# Allegro board 8880F5-0827_6.brd (continued)
## Routing (per net, layer and track width the routed paths; a pad name or vN(x,y) marks a point on that pad's centre or on a via; arc(x,y) is an arc through that point) (continued)
; D305.B9 400.61,88.9 ; D305.B9 402.03,88.9 ; D123.B12 262.43,60.96 ; D123.B12 261.62,61.77 ; D123.B12 260.81,60.96 ; D123.B12 261.62,60.15 ; D130.B3 91.44,79.55 ; D130.B3 92.25,78.74 ; D130.B3 90.63,78.74 ; D130.B3 91.44,77.93 ; D124.B3 238.76,38.91 ; D124.B3 238.76,37.29 ; D124.B3 237.95,38.1 ; D124.B3 239.57,38.1 ; CSDPS229.B14 168.45,332.74 ; CSDPS229.B14 167.64,331.93 ; CSDPS229.B14 166.83,332.74 ; CSDPS229.B14 167.64,333.55 ; D104.A9 327.66,33.83 ; D104.A9 326.85,33.02 ; D104.A9 328.47,33.02 ; D104.A9 327.66,32.21 ; D114.B7 333.55,350.52 ; D114.B7 332.74,349.71 ; D114.B7 332.74,351.33 ; D114.B7 331.93,350.52 ; D104.A3 312.42,33.83 ; D104.A3 312.42,32.21 ; D104.A3 313.23,33.02 ; D104.A3 311.61,33.02 ; CSDPS425.B2 271.78,343.71 ; CSDPS425.B2 270.97,342.9 ; CSDPS425.B2 272.59,342.9 ; CSDPS425.B2 271.78,342.09 ; D306.A5 391.16,64.21 ; D306.A5 391.87,63.5 ; D306.A5 391.16,62.79 ; D306.A5 390.45,63.5 ; 381,62.79 D306.A1 ; D306.A1 380.29,63.5 ; D306.A1 381,64.21 ; D306.A1 381.71,63.5 ; 180.34,83.11 D317.A9 ; D317.A9 180.34,84.53 ; D317.A9 179.63,83.82 ; D317.A9 181.05,83.82 ; D108.B9 402.13,38.1 ; D108.B9 401.32,37.29 ; D108.B9 401.32,38.91 ; D108.B9 400.51,38.1 ; 246.38,60.15 D123.B6 ; D123.B6 247.19,60.96 ; D123.B6 245.57,60.96 ; D123.B6 246.38,61.77 ; 337.11,88.9 D301.B13 ; D301.B13 337.82,89.61 ; D301.B13 337.82,88.19 ; D301.B13 338.53,88.9 ; 17.78,52.53 D127.A3 ; D127.A3 18.59,53.34 ; D127.A3 16.97,53.34 ; D127.A3 17.78,54.15 ; 233.68,77.93 D122.B1 ; D122.B1 234.49,78.74 ; D122.B1 232.87,78.74 ; D122.B1 233.68,79.55 ; DPS8.C15 165.91,410.21 ; DPS8.C15 165.1,411.02 ; DPS8.C15 165.1,409.4 ; DPS8.C15 164.29,410.21 ; 332.63,185.95 SITE4.G20 ; SITE4.G20 333.11,186.43 ; SITE4.G20 332.15,186.43 ; SITE4.G20 332.63,186.91 ; 169.37,381 D431.B13 ; D431.B13 170.18,380.19 ; D431.B13 170.18,381.81 ; D431.B13 170.99,381 ; 312.42,329.39 D113.B15 ; D113.B15 313.23,330.2 ; D113.B15 311.61,330.2 ; D113.B15 312.42,331.01 ; DPS1.A15 417.37,13.97 ; DPS1.A15 416.56,14.78 ; DPS1.A15 416.56,13.16 ; DPS1.A15 415.75,13.97 ; 418.39,66.04 D306.A16 ; D306.A16 419.1,66.75 ; D306.A16 419.1,65.33 ; D306.A16 419.81,66.04 ; 320.04,387.81 D116.B12 ; D116.B12 320.04,389.43 ; D116.B12 320.85,388.62 ; D116.B12 319.23,388.62 ; 312.42,37.29 D104.B3 ; D104.B3 311.61,38.1 ; D104.B3 313.23,38.1 ; D104.B3 312.42,38.91 ; D108.A2 383.54,36.37 ; D108.A2 383.54,34.75 ; D108.A2 382.73,35.56 ; D108.A2 384.35,35.56 ; D125.B3 18.59,99.06 ; D125.B3 17.78,99.87 ; D125.B3 17.78,98.25 ; D125.B3 16.97,99.06 ; D122.A15 269.24,74.47 ; D122.A15 270.05,73.66 ; D122.A15 268.43,73.66 ; D122.A15 269.24,72.85 ; D130.A3 92.25,73.66 ; D130.A3 90.63,73.66 ; D130.A3 91.44,72.85 ; D130.A3 91.44,74.47 ; 182.88,80.47 D118.B10 ; D118.B10 183.69,81.28 ; D118.B10 182.88,82.09 ; D118.B10 182.07,81.28 ; D106.A8 399.59,76.2 ; D106.A8 397.97,76.2 ; D106.A8 398.78,77.01 ; D106.A8 398.78,75.39 ; D104.A5 318.31,33.02 ; D104.A5 317.5,33.83 ; D104.A5 316.69,33.02 ; D104.A5 317.5,32.21 ; D306.B4 388.62,71.83 ; D306.B4 387.91,71.12 ; D306.B4 389.33,71.12 ; D306.B4 388.62,70.41 ; 329.33,187.45 SITE4.G8 ; SITE4.G8 329.81,187.93 ; SITE4.G8 329.33,188.41 ; SITE4.G8 328.85,187.93 ; 266.7,331.93 CSDPS225.B4 ; CSDPS225.B4 265.89,332.74 ; CSDPS225.B4 266.7,333.55 ; CSDPS225.B4 267.51,332.74 ; D122.B13 264.97,78.74 ; D122.B13 264.16,79.55 ; D122.B13 263.35,78.74 ; D122.B13 264.16,77.93 ; 241.3,70.41 D322.B4 ; D322.B4 241.3,71.83 ; D322.B4 240.59,71.12 ; D322.B4 242.01,71.12 ; 317.5,72.85 D102.A5 ; D102.A5 316.69,73.66 ; D102.A5 318.31,73.66 ; D102.A5 317.5,74.47 ; 25.4,39.83 D128.B6 ; D128.B6 26.21,40.64 ; D128.B6 24.59,40.64 ; D128.B6 25.4,41.45 ; D125.B8 30.48,102.41 ; D125.B8 29.67,101.6 ; D125.B8 31.29,101.6 ; D125.B8 30.48,100.79 ; 172.72,90.73 D317.B6 ; D317.B6 172.01,91.44 ; D317.B6 172.72,92.15 ; D317.B6 173.43,91.44 ; 306.63,88.9 D301.B1 ; D301.B1 307.34,88.19 ; D301.B1 307.34,89.61 ; D301.B1 308.05,88.9 ; 161.85,91.44 D317.B2 ; D317.B2 162.56,90.73 ; D317.B2 163.27,91.44 ; D317.B2 162.56,92.15 ; 195.58,380.19 D431.B3 ; D431.B3 195.58,381.81 ; D431.B3 194.77,381 ; D431.B3 196.39,381 ; 193.04,377.65 D431.B4 ; D431.B4 192.23,378.46 ; D431.B4 193.85,378.46 ; D431.B4 193.04,379.27 ; 269.24,57.61 D123.B15 ; D123.B15 269.24,59.23 ; D123.B15 270.05,58.42 ; D123.B15 268.43,58.42 ; 408.94,75.39 D106.A12 ; D106.A12 409.75,76.2 ; D106.A12 408.13,76.2 ; D106.A12 408.94,77.01 ; D107.A14 414.83,55.88 ; D107.A14 414.02,55.07 ; D107.A14 414.02,56.69 ; D107.A14 413.21,55.88 ; 342.9,88.19 D301.B15 ; D301.B15 342.19,88.9 ; D301.B15 343.61,88.9 ; D301.B15 342.9,89.61 ; 165.1,385.27 D431.A15 ; D431.A15 165.1,386.89 ; D431.A15 165.91,386.08 ; D431.A15 164.29,386.08 ; 116.84,98.25 D129.B13 ; D129.B13 116.84,99.87 ; D129.B13 117.65,99.06 ; D129.B13 116.03,99.06 ; D107.A15 417.37,53.34 ; D107.A15 415.75,53.34 ; D107.A15 416.56,52.53 ; D107.A15 416.56,54.15 ; 162.56,55.07 D119.A2 ; D119.A2 162.56,56.69 ; D119.A2 161.75,55.88 ; D119.A2 163.37,55.88 ; 198.12,34.75 D120.A16 ; D120.A16 198.12,36.37 ; D120.A16 197.31,35.56 ; D120.A16 198.93,35.56 ; D104.B9 328.47,38.1 ; D104.B9 326.85,38.1 ; D104.B9 327.66,37.29 ; D104.B9 327.66,38.91 ; 19.51,76.2 D126.A4 ; D126.A4 20.32,75.39 ; D126.A4 20.32,77.01 ; D126.A4 21.13,76.2 ; 169.37,53.34 D119.A5 ; D119.A5 170.99,53.34 ; D119.A5 170.18,54.15 ; D119.A5 170.18,52.53 ; D302.B3 313.13,68.58 ; D302.B3 311.71,68.58 ; D302.B3 312.42,69.29 ; D302.B3 312.42,67.87 ; D124.B10 256.54,41.45 ; D124.B10 255.73,40.64 ; D124.B10 256.54,39.83 ; D124.B10 257.35,40.64 ; D318.B8 177.8,71.83 ; D318.B8 177.09,71.12 ; D318.B8 177.8,70.41 ; D318.B8 178.51,71.12 ; D322.B6 246.38,71.83 ; D322.B6 247.09,71.12 ; D322.B6 245.67,71.12 ; D322.B6 246.38,70.41 ; D120.A6 172.72,36.37 ; D120.A6 172.72,34.75 ; D120.A6 173.53,35.56 ; D120.A6 171.91,35.56 ; DPS1.C11 407.21,19.05 ; DPS1.C11 406.4,19.86 ; DPS1.C11 406.4,18.24 ; DPS1.C11 405.59,19.05 ; D305.B14 414.02,92.15 ; D305.B14 414.02,90.73 ; D305.B14 414.73,91.44 ; D305.B14 413.31,91.44 ; 43.18,32.21 D128.A13 ; D128.A13 43.99,33.02 ; D128.A13 42.37,33.02 ; D128.A13 43.18,33.83 ; 325.12,90.73 D301.B8 ; D301.B8 325.83,91.44 ; D301.B8 324.41,91.44 ; D301.B8 325.12,92.15 ; D110.B9 402.13,350.52 ; D110.B9 401.32,351.33 ; D110.B9 400.51,350.52 ; D110.B9 401.32,349.71 ; D108.B3 386.08,38.91 ; D108.B3 385.27,38.1 ; D108.B3 386.89,38.1 ; D108.B3 386.08,37.29 ; 324.31,327.66 D113.B10 ; D113.B10 325.12,328.47 ; D113.B10 325.93,327.66 ; D113.B10 325.12,326.85 ; 101.6,57.61 D131.B7 ; D131.B7 100.79,58.42 ; D131.B7 101.6,59.23 ; D131.B7 102.41,58.42 ; 27.13,58.42 D127.B7 ; D127.B7 28.75,58.42 ; D127.B7 27.94,59.23 ; D127.B7 27.94,57.61 ; SITE3.G17 249.03,186.91 ; SITE3.G17 249.51,186.43 ; SITE3.G17 249.03,185.95 ; SITE3.G17 248.55,186.43 ; 97.4,174.52 UNK3U2.4 ; UNK3U2.4 98.34,175.46 ; UNK3U2.4 96.46,175.46 ; UNK3U2.4 97.4,176.4 ; 386.08,354.79 D110.A15 ; D110.A15 385.27,355.6 ; D110.A15 386.89,355.6 ; D110.A15 386.08,356.41 ; 413.21,353.06 D110.A4 ; D110.A4 414.02,353.87 ; D110.A4 414.83,353.06 ; D110.A4 414.02,352.25 ; D124.A9 254,33.83 ; D124.A9 253.19,33.02 ; D124.A9 254.81,33.02 ; D124.A9 254,32.21 ; D113.B9 328.47,330.2 ; D113.B9 327.66,331.01 ; D113.B9 327.66,329.39 ; D113.B9 326.85,330.2 ; 248.33,180.85 SITE3.G1 ; SITE3.G1 248.33,181.81 ; SITE3.G1 247.85,181.33 ; SITE3.G1 248.81,181.33 ; SITE1.G4 251.33,241.81 ; SITE1.G4 250.85,241.33 ; SITE1.G4 251.33,240.85 ; SITE1.G4 251.81,241.33 ; 99.06,39.83 D132.B6 ; D132.B6 99.06,41.45 ; D132.B6 99.87,40.64 ; D132.B6 98.25,40.64 ; 24.59,101.6 D125.B6 ; D125.B6 26.21,101.6 ; D125.B6 25.4,100.79 ; D125.B6 25.4,102.41 ; D115.B9 327.66,371.65 ; D115.B9 326.85,370.84 ; D115.B9 327.66,370.03 ; D115.B9 328.47,370.84 ; 416.56,18.24 DPS1.C15 ; DPS1.C15 415.75,19.05 ; DPS1.C15 416.56,19.86 ; DPS1.C15 417.37,19.05 ; 187.96,85.65 D317.A12 ; D317.A12 188.67,86.36 ; D317.A12 187.96,87.07 ; D317.A12 187.25,86.36 ; 32.21,78.74 D126.B9 ; D126.B9 33.02,77.93 ; D126.B9 33.83,78.74 ; D126.B9 33.02,79.55 ; 393.7,75.39 D106.A6 ; D106.A6 393.7,77.01 ; D106.A6 394.51,76.2 ; D106.A6 392.89,76.2 ; 170.18,88.19 D317.B5 ; D317.B5 169.47,88.9 ; D317.B5 170.89,88.9 ; D317.B5 170.18,89.61 ; D128.B10 35.56,41.45 ; D128.B10 35.56,39.83 ; D128.B10 34.75,40.64 ; D128.B10 36.37,40.64 ; CSDPS225.C9 254,331.01 ; CSDPS225.C9 253.19,330.2 ; CSDPS225.C9 254,329.39 ; CSDPS225.C9 254.81,330.2 ; D302.A3 313.13,63.5 ; D302.A3 312.42,64.21 ; D302.A3 311.71,63.5 ; D302.A3 312.42,62.79 ; D231.A2 198.12,374.19 ; D231.A2 197.31,373.38 ; D231.A2 198.12,372.57 ; D231.A2 198.93,373.38 ; 401.32,57.61 D107.B9 ; D107.B9 402.13,58.42 ; D107.B9 401.32,59.23 ; D107.B9 400.51,58.42 ; 342.09,58.42 D103.B15 ; D103.B15 342.9,57.61 ; D103.B15 342.9,59.23 ; D103.B15 343.71,58.42 ; 317.5,370.03 D115.B13 ; D115.B13 318.31,370.84 ; D115.B13 316.69,370.84 ; D115.B13 317.5,371.65 ; 247.85,241.33 SITE1.G1 ; SITE1.G1 248.33,240.85 ; SITE1.G1 248.33,241.81 ; SITE1.G1 248.81,241.33 ; D302.A7 322.58,64.21 ; D302.A7 321.87,63.5 ; D302.A7 322.58,62.79 ; D302.A7 323.29,63.5 ; 386.08,395.43 D112.A15 ; D112.A15 386.08,397.05 ; D112.A15 385.27,396.24 ; D112.A15 386.89,396.24 ; 337.82,395.43 D116.A5 ; D116.A5 337.01,396.24 ; D116.A5 337.82,397.05 ; D116.A5 338.63,396.24 ; 187.96,55.07 D119.A12 ; D119.A12 187.96,56.69 ; D119.A12 187.15,55.88 ; D119.A12 188.77,55.88 ; 328.55,186.43 SITE4.G17 ; SITE4.G17 329.51,186.43 ; SITE4.G17 329.03,185.95 ; SITE4.G17 329.03,186.91 ; D113.A6 335.28,333.55 ; D113.A6 334.47,332.74 ; D113.A6 336.09,332.74 ; D113.A6 335.28,331.93 ; D108.B4 388.62,41.45 ; D108.B4 389.43,40.64 ; D108.B4 387.81,40.64 ; D108.B4 388.62,39.83 ; 40.64,39.83 D128.B12 ; D128.B12 40.64,41.45 ; D128.B12 41.45,40.64 ; D128.B12 39.83,40.64 ; 273.51,330.2 CSDPS225.C1 ; CSDPS225.C1 274.32,329.39 ; CSDPS225.C1 274.32,331.01 ; CSDPS225.C1 275.13,330.2 ; 416.56,395.43 D112.A3 ; D112.A3 415.75,396.24 ; D112.A3 417.37,396.24 ; D112.A3 416.56,397.05 ; D110.A16 383.54,353.87 ; D110.A16 384.35,353.06 ; D110.A16 383.54,352.25 ; D110.A16 382.73,353.06 ; D302.B15 342.9,69.29 ; D302.B15 342.9,67.87 ; D302.B15 343.61,68.58 ; D302.B15 342.19,68.58 ; D126.B7 27.94,79.55 ; D126.B7 27.94,77.93 ; D126.B7 28.75,78.74 ; D126.B7 27.13,78.74 ; D112.B6 409.75,388.62 ; D112.B6 408.13,388.62 ; D112.B6 408.94,389.43 ; D112.B6 408.94,387.81 ; 177.8,382.73 D431.A10 ; D431.A10 178.61,383.54 ; D431.A10 176.99,383.54 ; D431.A10 177.8,384.35 ; 331.85,181.33 SITE4.G5 ; SITE4.G5 332.33,180.85 ; SITE4.G5 332.81,181.33 ; SITE4.G5 332.33,181.81 ; 104.14,75.39 D130.A8 ; D130.A8 104.14,77.01 ; D130.A8 104.95,76.2 ; D130.A8 103.33,76.2 ; D322.A3 239.47,63.5 ; D322.A3 238.05,63.5 ; D322.A3 238.76,64.21 ; D322.A3 238.76,62.79 ; 396.24,37.29 D108.B7 ; D108.B7 395.43,38.1 ; D108.B7 397.05,38.1 ; D108.B7 396.24,38.91 ; D321.B11 259.08,89.61 ; D321.B11 258.37,88.9 ; D321.B11 259.08,88.19 ; D321.B11 259.79,88.9 ; D102.B15 343.71,78.74 ; D102.B15 342.09,78.74 ; D102.B15 342.9,77.93 ; D102.B15 342.9,79.55 ; 251.46,55.07 D123.A8 ; D123.A8 252.27,55.88 ; D123.A8 251.46,56.69 ; D123.A8 250.65,55.88 ; D318.B13 191.21,68.58 ; D318.B13 190.5,67.87 ; D318.B13 190.5,69.29 ; D318.B13 189.79,68.58 ; D124.A11 259.08,33.83 ; D124.A11 259.89,33.02 ; D124.A11 259.08,32.21 ; D124.A11 258.27,33.02 ; D110.A5 412.29,355.6 ; D110.A5 411.48,354.79 ; D110.A5 410.67,355.6 ; D110.A5 411.48,356.41 ; 309.07,55.88 D103.A2 ; D103.A2 309.88,56.69 ; D103.A2 309.88,55.07 ; D103.A2 310.69,55.88 ; D120.A2 163.37,35.56 ; D120.A2 162.56,34.75 ; D120.A2 161.75,35.56 ; D120.A2 162.56,36.37 ; SITE3.G12 253.33,188.41 ; SITE3.G12 252.85,187.93 ; SITE3.G12 253.81,187.93 ; SITE3.G12 253.33,187.45 ; D132.A16 125.27,35.56 ; D132.A16 124.46,36.37 ; D132.A16 123.65,35.56 ; D132.A16 124.46,34.75 ; D306.A12 408.94,66.75 ; D306.A12 408.23,66.04 ; D306.A12 409.65,66.04 ; D306.A12 408.94,65.33 ; 403.05,347.98 D110.B8 ; D110.B8 403.86,347.17 ; D110.B8 403.86,348.79 ; D110.B8 404.67,347.98 ; D126.B5 22.86,79.55 ; D126.B5 22.86,77.93 ; D126.B5 22.05,78.74 ; D126.B5 23.67,78.74 ; D130.B4 93.98,82.09 ; D130.B4 94.79,81.28 ; D130.B4 93.17,81.28 ; D130.B4 93.98,80.47 ; D128.B13 43.99,38.1 ; D128.B13 42.37,38.1 ; D128.B13 43.18,37.29 ; D128.B13 43.18,38.91 ; 319.23,332.74 D113.A12 ; D113.A12 320.85,332.74 ; D113.A12 320.04,331.93 ; D113.A12 320.04,333.55 ; 326.85,396.24 D116.A9 ; D116.A9 328.47,396.24 ; D116.A9 327.66,397.05 ; D116.A9 327.66,395.43 ; 320.04,65.33 D302.A6 ; D302.A6 319.33,66.04 ; D302.A6 320.04,66.75 ; D302.A6 320.75,66.04 ; D112.B16 384.35,388.62 ; D112.B16 383.54,387.81 ; D112.B16 382.73,388.62 ; D112.B16 383.54,389.43 ; D115.B1 347.98,371.65 ; D115.B1 348.79,370.84 ; D115.B1 347.98,370.03 ; D115.B1 347.17,370.84 ; CSDPS429.C5 190.5,341.17 ; CSDPS429.C5 190.5,339.55 ; CSDPS429.C5 191.31,340.36 ; CSDPS429.C5 189.69,340.36 ; 248.11,73.66 D122.A7 ; D122.A7 248.92,72.85 ; D122.A7 249.73,73.66 ; D122.A7 248.92,74.47 ; 334.47,35.56 D104.A12 ; D104.A12 335.28,36.37 ; D104.A12 336.09,35.56 ; D104.A12 335.28,34.75 ; D104.B14 341.17,40.64 ; D104.B14 340.36,39.83 ; D104.B14 339.55,40.64 ; D104.B14 340.36,41.45 ; D317.A14 193.75,86.36 ; D317.A14 192.33,86.36 ; D317.A14 193.04,87.07 ; D317.A14 193.04,85.65 ; 332.63,182.35 SITE4.G16 ; SITE4.G16 333.11,182.83 ; SITE4.G16 332.63,183.31 ; SITE4.G16 332.15,182.83 ; D104.B10 330.2,41.45 ; D104.B10 331.01,40.64 ; D104.B10 330.2,39.83 ; D104.B10 329.39,40.64 ; D122.B7 248.92,79.55 ; D122.B7 249.73,78.74 ; D122.B7 248.92,77.93 ; D122.B7 248.11,78.74 ; 334.47,353.06 D114.A6 ; D114.A6 335.28,353.87 ; D114.A6 335.28,352.25 ; D114.A6 336.09,353.06 ; D107.B1 381.81,58.42 ; D107.B1 381,59.23 ; D107.B1 381,57.61 ; D107.B1 380.19,58.42 ; D111.A6 409.75,373.38 ; D111.A6 408.13,373.38 ; D111.A6 408.94,374.19 ; D111.A6 408.94,372.57 ; 414.02,326.85 D109.B4 ; D109.B4 413.21,327.66 ; D109.B4 414.83,327.66 ; D109.B4 414.02,328.47 ; 330.2,372.57 D115.A8 ; D115.A8 330.2,374.19 ; D115.A8 331.01,373.38 ; D115.A8 329.39,373.38 ; 124.46,75.39 D130.A16 ; D130.A16 123.65,76.2 ; D130.A16 124.46,77.01 ; D130.A16 125.27,76.2 ; 254,67.87 D322.B9 ; D322.B9 254.71,68.58 ; D322.B9 254,69.29 ; D322.B9 253.29,68.58 ; 29.67,81.28 D126.B8 ; D126.B8 31.29,81.28 ; D126.B8 30.48,80.47 ; D126.B8 30.48,82.09 ; D102.A3 313.23,73.66 ; D102.A3 311.61,73.66 ; D102.A3 312.42,72.85 ; D102.A3 312.42,74.47 ; D109.B6 409.75,327.66 ; D109.B6 408.94,328.47 ; D109.B6 408.13,327.66 ; D109.B6 408.94,326.85 ; 90.63,58.42 D131.B3 ; D131.B3 91.44,57.61 ; D131.B3 92.25,58.42 ; D131.B3 91.44,59.23 ; D131.B13 116.84,59.23 ; D131.B13 116.03,58.42 ; D131.B13 116.84,57.61 ; D131.B13 117.65,58.42 ; 319.23,353.06 D114.A12 ; D114.A12 320.04,352.25 ; D114.A12 320.04,353.87 ; D114.A12 320.85,353.06 ; 49.99,40.64 D128.B16 ; D128.B16 51.61,40.64 ; D128.B16 50.8,41.45 ; D128.B16 50.8,39.83 ; D301.A10 330.2,87.07 ; D301.A10 329.49,86.36 ; D301.A10 330.2,85.65 ; D301.A10 330.91,86.36 ; DPS8.A15 165.1,416.1 ; DPS8.A15 164.29,415.29 ; DPS8.A15 165.91,415.29 ; DPS8.A15 165.1,414.48 ; D322.B3 238.76,69.29 ; D322.B3 239.47,68.58 ; D322.B3 238.76,67.87 ; D322.B3 238.05,68.58 ; 200.66,414.48 DPS8.A01 ; DPS8.A01 199.85,415.29 ; DPS8.A01 200.66,416.1 ; DPS8.A01 201.47,415.29 ; D124.A4 241.3,36.37 ; D124.A4 241.3,34.75 ; D124.A4 242.11,35.56 ; D124.A4 240.49,35.56 ; DPS2.A05 338.63,415.29 ; DPS2.A05 337.82,416.1 ; DPS2.A05 337.82,414.48 ; DPS2.A05 337.01,415.29 ; 314.96,90.73 D301.B4 ; D301.B4 314.96,92.15 ; D301.B4 315.67,91.44 ; D301.B4 314.25,91.44 ; D112.B3 416.56,391.97 ; D112.B3 415.75,391.16 ; D112.B3 416.56,390.35 ; D112.B3 417.37,391.16 ; 271.07,91.44 D321.B16 ; D321.B16 271.78,90.73 ; D321.B16 272.49,91.44 ; D321.B16 271.78,92.15 ; D321.A1 234.39,83.82 ; D321.A1 233.68,83.11 ; D321.A1 233.68,84.53 ; D321.A1 232.97,83.82 ; 391.16,349.71 D110.B13 ; D110.B13 391.97,350.52 ; D110.B13 390.35,350.52 ; D110.B13 391.16,351.33 ; D126.B6 25.4,82.09 ; D126.B6 26.21,81.28 ; D126.B6 24.59,81.28 ; D126.B6 25.4,80.47 ; D128.A9 33.02,33.83 ; D128.A9 32.21,33.02 ; D128.A9 33.83,33.02 ; D128.A9 33.02,32.21 ; 345.44,372.57 D115.A2 ; D115.A2 345.44,374.19 ; D115.A2 346.25,373.38 ; D115.A2 344.63,373.38 ; D302.A4 315.67,66.04 ; D302.A4 314.96,65.33 ; D302.A4 314.25,66.04 ; D302.A4 314.96,66.75 ; D317.B10 183.59,91.44 ; D317.B10 182.88,92.15 ; D317.B10 182.88,90.73 ; D317.B10 182.17,91.44 ; D131.A12 114.3,56.69 ; D131.A12 115.11,55.88 ; D131.A12 114.3,55.07 ; D131.A12 113.49,55.88 ; 192.23,76.2 D118.A14 ; D118.A14 193.85,76.2 ; D118.A14 193.04,77.01 ; D118.A14 193.04,75.39 ; D114.A9 327.66,356.41 ; D114.A9 327.66,354.79 ; D114.A9 328.47,355.6 ; D114.A9 326.85,355.6 ; 347.98,354.79 D114.A1 ; D114.A1 347.17,355.6 ; D114.A1 347.98,356.41 ; D114.A1 348.79,355.6 ; 317.5,52.53 D103.A5 ; D103.A5 317.5,54.15 ; D103.A5 316.69,53.34 ; D103.A5 318.31,53.34 ; 314.96,34.75 D104.A4 ; D104.A4 315.77,35.56 ; D104.A4 314.96,36.37 ; D104.A4 314.15,35.56 ; 388.62,75.39 D106.A4 ; D106.A4 389.43,76.2 ; D106.A4 387.81,76.2 ; D106.A4 388.62,77.01 ; D106.B14 414.02,82.09 ; D106.B14 413.21,81.28 ; D106.B14 414.02,80.47 ; D106.B14 414.83,81.28 ; D108.A6 393.7,36.37 ; D108.A6 393.7,34.75 ; D108.A6 394.51,35.56 ; D108.A6 392.89,35.56 ; CSDPS429.B6 188.77,342.9 ; CSDPS429.B6 187.96,343.71 ; CSDPS429.B6 187.96,342.09 ; CSDPS429.B6 187.15,342.9 ; D102.A16 345.44,77.01 ; D102.A16 345.44,75.39 ; D102.A16 346.25,76.2 ; D102.A16 344.63,76.2 ; 241.3,331.93 CSDPS225.B14 ; CSDPS225.B14 242.11,332.74 ; CSDPS225.B14 240.49,332.74 ; CSDPS225.B14 241.3,333.55 ; CSDPS425.C13 243.84,341.17 ; CSDPS425.C13 243.84,339.55 ; CSDPS425.C13 244.65,340.36 ; CSDPS425.C13 243.03,340.36 ; 121.11,78.74 D130.B15 ; D130.B15 121.92,77.93 ; D130.B15 121.92,79.55 ; D130.B15 122.73,78.74 ; D431.A13 170.99,386.08 ; D431.A13 170.18,385.27 ; D431.A13 169.37,386.08 ; D431.A13 170.18,386.89 ; D128.A16 50.8,36.37 ; D128.A16 50.8,34.75 ; D128.A16 49.99,35.56 ; D128.A16 51.61,35.56 ; D305.B6 394.41,91.44 ; D305.B6 393.7,92.15 ; D305.B6 392.99,91.44 ; D305.B6 393.7,90.73 ; 327.66,67.87 D302.B9 ; D302.B9 328.37,68.58 ; D302.B9 326.95,68.58 ; D302.B9 327.66,69.29 ; 12.7,77.93 D126.B1 ; D126.B1 13.51,78.74 ; D126.B1 12.7,79.55 ; D126.B1 11.89,78.74 ; 169.37,58.42 D119.B5 ; D119.B5 170.18,57.61 ; D119.B5 170.99,58.42 ; D119.B5 170.18,59.23 ; D119.A3 165.91,53.34 ; D119.A3 164.29,53.34 ; D119.A3 165.1,54.15 ; D119.A3 165.1,52.53 ; 99.06,80.47 D130.B6 ; D130.B6 99.06,82.09 ; D130.B6 99.87,81.28 ; D130.B6 98.25,81.28 ; D110.B3 416.56,351.33 ; D110.B3 417.37,350.52 ; D110.B3 416.56,349.71 ; D110.B3 415.75,350.52 ; 411.48,57.61 D107.B13 ; D107.B13 410.67,58.42 ; D107.B13 411.48,59.23 ; D107.B13 412.29,58.42 ; 22.05,33.02 D128.A5 ; D128.A5 22.86,32.21 ; D128.A5 22.86,33.83 ; D128.A5 23.67,33.02 ; CSDPS425.C11 248.92,341.17 ; CSDPS425.C11 248.92,339.55 ; CSDPS425.C11 248.11,340.36 ; CSDPS425.C11 249.73,340.36 ; D317.A7 175.97,83.82 ; D317.A7 175.26,83.11 ; D317.A7 175.26,84.53 ; D317.A7 174.55,83.82 ; D106.A9 401.32,74.47 ; D106.A9 402.13,73.66 ; D106.A9 401.32,72.85 ; D106.A9 400.51,73.66 ; D104.A6 320.04,36.37 ; D104.A6 320.04,34.75 ; D104.A6 320.85,35.56 ; D104.A6 319.23,35.56 ; 411.48,390.35 D112.B5 ; D112.B5 410.67,391.16 ; D112.B5 411.48,391.97 ; D112.B5 412.29,391.16 ; 246.38,55.07 D123.A6 ; D123.A6 246.38,56.69 ; D123.A6 245.57,55.88 ; D123.A6 247.19,55.88 ; 265.89,35.56 D124.A14 ; D124.A14 267.51,35.56 ; D124.A14 266.7,36.37 ; D124.A14 266.7,34.75 ; 42.37,58.42 D127.B13 ; D127.B13 43.99,58.42 ; D127.B13 43.18,57.61 ; D127.B13 43.18,59.23 ; D102.A2 310.69,76.2 ; D102.A2 309.07,76.2 ; D102.A2 309.88,75.39 ; D102.A2 309.88,77.01 ; 189.69,78.74 D118.B13 ; D118.B13 191.31,78.74 ; D118.B13 190.5,79.55 ; D118.B13 190.5,77.93 ; D305.B3 386.08,89.61 ; D305.B3 386.08,88.19 ; D305.B3 386.79,88.9 ; D305.B3 385.37,88.9 ; D130.B10 110.03,81.28 ; D130.B10 109.22,82.09 ; D130.B10 108.41,81.28 ; D130.B10 109.22,80.47 ; 165.1,37.29 D120.B3 ; D120.B3 165.91,38.1 ; D120.B3 165.1,38.91 ; D120.B3 164.29,38.1 ; SITE2.G8 329.33,248.41 ; SITE2.G8 329.33,247.45 ; SITE2.G8 329.81,247.93 ; SITE2.G8 328.85,247.93 ; D108.A15 416.56,33.83 ; D108.A15 415.75,33.02 ; D108.A15 416.56,32.21 ; D108.A15 417.37,33.02 ; D125.B11 38.1,99.87 ; D125.B11 38.1,98.25 ; D125.B11 37.29,99.06 ; D125.B11 38.91,99.06 ; 408.94,85.65 D305.A12 ; D305.A12 409.65,86.36 ; D305.A12 408.94,87.07 ; D305.A12 408.23,86.36 ; D108.B16 419.1,41.45 ; D108.B16 419.91,40.64 ; D108.B16 419.1,39.83 ; D108.B16 418.29,40.64 ; 12.7,72.85 D126.A1 ; D126.A1 12.7,74.47 ; D126.A1 11.89,73.66 ; D126.A1 13.51,73.66 ; 331.93,78.74 D102.B11 ; D102.B11 332.74,79.55 ; D102.B11 332.74,77.93 ; D102.B11 333.55,78.74 ; 159.21,38.1 D120.B1 ; D120.B1 160.02,38.91 ; D120.B1 160.02,37.29 ; D120.B1 160.83,38.1 ; D103.A15 343.71,53.34 ; D103.A15 342.9,52.53 ; D103.A15 342.09,53.34 ; D103.A15 342.9,54.15 ; 408.94,352.25 D110.A6 ; D110.A6 408.94,353.87 ; D110.A6 408.13,353.06 ; D110.A6 409.75,353.06 ; D322.A15 269.95,63.5 ; D322.A15 268.53,63.5 ; D322.A15 269.24,64.21 ; D322.A15 269.24,62.79 ; 197.31,81.28 D118.B16 ; D118.B16 198.93,81.28 ; D118.B16 198.12,80.47 ; D118.B16 198.12,82.09 ; 165.1,329.39 CSDPS229.C15 ; CSDPS229.C15 165.1,331.01 ; CSDPS229.C15 164.29,330.2 ; CSDPS229.C15 165.91,330.2 ; 266.7,342.09 CSDPS425.B4 ; CSDPS425.B4 267.51,342.9 ; CSDPS425.B4 266.7,343.71 ; CSDPS425.B4 265.89,342.9 ; D321.A15 269.24,84.53 ; D321.A15 269.24,83.11 ; D321.A15 269.95,83.82 ; D321.A15 268.53,83.82 ; 319.23,373.38 D115.A12 ; D115.A12 320.85,373.38 ; D115.A12 320.04,372.57 ; D115.A12 320.04,374.19 ; 268.53,68.58 D322.B15 ; D322.B15 269.95,68.58 ; D322.B15 269.24,69.29 ; D322.B15 269.24,67.87 ; 246.38,34.75 D124.A6 ; D124.A6 245.57,35.56 ; D124.A6 246.38,36.37 ; D124.A6 247.19,35.56 ; 32.21,38.1 D128.B9 ; D128.B9 33.02,37.29 ; D128.B9 33.83,38.1 ; D128.B9 33.02,38.91 ; 344.63,388.62 D116.B2 ; D116.B2 345.44,387.81 ; D116.B2 346.25,388.62 ; D116.B2 345.44,389.43 ; 235.41,60.96 D123.B2 ; D123.B2 236.22,60.15 ; D123.B2 236.22,61.77 ; D123.B2 237.03,60.96 ; D132.A7 102.41,33.02 ; D132.A7 101.6,33.83 ; D132.A7 101.6,32.21 ; D132.A7 100.79,33.02 ; 47.45,99.06 D125.B15 ; D125.B15 48.26,98.25 ; D125.B15 49.07,99.06 ; D125.B15 48.26,99.87 ; D103.B11 333.55,58.42 ; D103.B11 332.74,59.23 ; D103.B11 332.74,57.61 ; D103.B11 331.93,58.42 ; D106.B4 388.62,82.09 ; D106.B4 387.81,81.28 ; D106.B4 389.43,81.28 ; D106.B4 388.62,80.47 ; D317.A8 178.51,86.36 ; D317.A8 177.8,87.07 ; D317.A8 177.09,86.36 ; D317.A8 177.8,85.65 ; 195.58,67.87 D318.B15 ; D318.B15 194.87,68.58 ; D318.B15 196.29,68.58 ; D318.B15 195.58,69.29 ; D131.A7 102.41,53.34 ; D131.A7 100.79,53.34 ; D131.A7 101.6,54.15 ; D131.A7 101.6,52.53 ; D128.B11 38.91,38.1 ; D128.B11 37.29,38.1 ; D128.B11 38.1,37.29 ; D128.B11 38.1,38.91 ; 398.78,326.85 D109.B10 ; D109.B10 398.78,328.47 ; D109.B10 397.97,327.66 ; D109.B10 399.59,327.66 ; D115.A4 340.36,374.19 ; D115.A4 340.36,372.57 ; D115.A4 339.55,373.38 ; D115.A4 341.17,373.38 ; 321.77,58.42 D103.B7 ; D103.B7 323.39,58.42 ; D103.B7 322.58,57.61 ; D103.B7 322.58,59.23 ; 243.13,83.82 D321.A5 ; D321.A5 243.84,84.53 ; D321.A5 243.84,83.11 ; D321.A5 244.55,83.82 ; 165.1,380.19 D431.B15 ; D431.B15 165.91,381 ; D431.B15 164.29,381 ; D431.B15 165.1,381.81 ; D306.A14 414.02,66.75 ; D306.A14 413.31,66.04 ; D306.A14 414.73,66.04 ; D306.A14 414.02,65.33 ; 339.55,353.06 D114.A4 ; D114.A4 340.36,352.25 ; D114.A4 340.36,353.87 ; D114.A4 341.17,353.06 ; 236.22,342.09 CSDPS425.B16 ; CSDPS425.B16 237.03,342.9 ; CSDPS425.B16 235.41,342.9 ; CSDPS425.B16 236.22,343.71 ; CSDPS229.C1 200.66,331.01 ; CSDPS229.C1 199.85,330.2 ; CSDPS229.C1 200.66,329.39 ; CSDPS229.C1 201.47,330.2 ; 194.77,73.66 D118.A15 ; D118.A15 195.58,72.85 ; D118.A15 195.58,74.47 ; D118.A15 196.39,73.66 ; D321.B15 269.24,89.61 ; D321.B15 268.53,88.9 ; D321.B15 269.24,88.19 ; D321.B15 269.95,88.9 ; 340.36,85.65 D301.A14 ; D301.A14 339.65,86.36 ; D301.A14 341.07,86.36 ; D301.A14 340.36,87.07 ; 189.69,386.08 D431.A5 ; D431.A5 191.31,386.08 ; D431.A5 190.5,385.27 ; D431.A5 190.5,386.89 ; 391.16,375.11 D111.A13 ; D111.A13 390.35,375.92 ; D111.A13 391.97,375.92 ; D111.A13 391.16,376.73 ; 249.03,245.95 SITE1.G17 ; SITE1.G17 249.03,246.91 ; SITE1.G17 248.55,246.43 ; SITE1.G17 249.51,246.43 ; 385.27,370.84 D111.B15 ; D111.B15 386.89,370.84 ; D111.B15 386.08,370.03 ; D111.B15 386.08,371.65 ; 180.34,88.19 D317.B9 ; D317.B9 179.63,88.9 ; D317.B9 181.05,88.9 ; D317.B9 180.34,89.61 ; 382.73,40.64 D108.B2 ; D108.B2 383.54,39.83 ; D108.B2 384.35,40.64 ; D108.B2 383.54,41.45 ; 326.85,73.66 D102.A9 ; D102.A9 327.66,74.47 ; D102.A9 328.47,73.66 ; D102.A9 327.66,72.85 ; D305.B5 391.87,88.9 ; D305.B5 391.16,89.61 ; D305.B5 391.16,88.19 ; D305.B5 390.45,88.9 ; D124.B11 259.89,38.1 ; D124.B11 258.27,38.1 ; D124.B11 259.08,37.29 ; D124.B11 259.08,38.91 ; 200.66,375.11 D231.A1 ; D231.A1 199.85,375.92 ; D231.A1 200.66,376.73 ; D231.A1 201.47,375.92 ; D109.A10 398.78,333.55 ; D109.A10 397.97,332.74 ; D109.A10 398.78,331.93 ; D109.A10 399.59,332.74 ; D127.A13 43.99,53.34 ; D127.A13 43.18,54.15 ; D127.A13 43.18,52.53 ; D127.A13 42.37,53.34 ; D115.B15 313.23,370.84 ; D115.B15 311.61,370.84 ; D115.B15 312.42,370.03 ; D115.B15 312.42,371.65 ; 111.76,37.29 D132.B11 ; D132.B11 110.95,38.1 ; D132.B11 111.76,38.91 ; D132.B11 112.57,38.1 ; D113.A5 337.82,336.09 ; D113.A5 337.82,334.47 ; D113.A5 338.63,335.28 ; D113.A5 337.01,335.28 ; D306.B5 391.16,69.29 ; D306.B5 390.45,68.58 ; D306.B5 391.16,67.87 ; D306.B5 391.87,68.58 ; 86.36,32.21 D132.A1 ; D132.A1 85.55,33.02 ; D132.A1 87.17,33.02 ; D132.A1 86.36,33.83 ; D112.A12 393.7,394.51 ; D112.A12 393.7,392.89 ; D112.A12 394.51,393.7 ; D112.A12 392.89,393.7 ; 271.07,71.12 D322.B16 ; D322.B16 271.78,70.41 ; D322.B16 272.49,71.12 ; D322.B16 271.78,71.83 ; D126.A2 15.24,77.01 ; D126.A2 16.05,76.2 ; D126.A2 15.24,75.39 ; D126.A2 14.43,76.2 ; 162.56,85.65 D317.A2 ; D317.A2 163.27,86.36 ; D317.A2 161.85,86.36 ; D317.A2 162.56,87.07 ; DPS3.C01 233.68,19.86 ; DPS3.C01 234.49,19.05 ; DPS3.C01 233.68,18.24 ; DPS3.C01 232.87,19.05 ; 175.26,37.29 D120.B7 ; D120.B7 175.26,38.91 ; D120.B7 176.07,38.1 ; D120.B7 174.45,38.1 ; 177.8,367.49 D231.B10 ; D231.B10 177.8,369.11 ; D231.B10 176.99,368.3 ; D231.B10 178.61,368.3 ; 416.56,334.47 D109.A3 ; D109.A3 416.56,336.09 ; D109.A3 417.37,335.28 ; D109.A3 415.75,335.28 ; 393.7,352.25 D110.A12 ; D110.A12 394.51,353.06 ; D110.A12 392.89,353.06 ; D110.A12 393.7,353.87 ; 254,37.29 D124.B9 ; D124.B9 254.81,38.1 ; D124.B9 253.19,38.1 ; D124.B9 254,38.91 ; 328.33,187.45 SITE4.G7 ; SITE4.G7 328.81,187.93 ; SITE4.G7 327.85,187.93 ; SITE4.G7 328.33,188.41 ; 418.39,86.36 D305.A16 ; D305.A16 419.81,86.36 ; D305.A16 419.1,87.07 ; D305.A16 419.1,85.65 ; 334.47,40.64 D104.B12 ; D104.B12 336.09,40.64 ; D104.B12 335.28,41.45 ; D104.B12 335.28,39.83 ; D127.A10 36.37,55.88 ; D127.A10 35.56,55.07 ; D127.A10 35.56,56.69 ; D127.A10 34.75,55.88 ; D305.A8 399.49,86.36 ; D305.A8 398.07,86.36 ; D305.A8 398.78,85.65 ; D305.A8 398.78,87.07 ; D131.B10 110.03,60.96 ; D131.B10 109.22,61.77 ; D131.B10 108.41,60.96 ; D131.B10 109.22,60.15 ; D125.A10 35.56,97.33 ; D125.A10 35.56,95.71 ; D125.A10 34.75,96.52 ; D125.A10 36.37,96.52 ; SITE4.G14 330.23,183.31 ; SITE4.G14 330.71,182.83 ; SITE4.G14 330.23,182.35 ; SITE4.G14 329.75,182.83 ; 193.04,60.15 D119.B14 ; D119.B14 193.85,60.96 ; D119.B14 193.04,61.77 ; D119.B14 192.23,60.96 ; UNK4U2.4 482.49,172.45 ; UNK4U2.4 482.49,170.56 ; UNK4U2.4 483.43,171.51 ; UNK4U2.4 481.55,171.51 ; 160.02,57.61 D119.B1 ; D119.B1 160.02,59.23 ; D119.B1 159.21,58.42 ; D119.B1 160.83,58.42 ; D109.A16 384.35,332.74 ; D109.A16 383.54,331.93 ; D109.A16 382.73,332.74 ; D109.A16 383.54,333.55 ; 251.43,245.95 SITE1.G19 ; SITE1.G19 250.95,246.43 ; SITE1.G19 251.43,246.91 ; SITE1.G19 251.91,246.43 ; D301.B10 330.2,92.15 ; D301.B10 330.91,91.44 ; D301.B10 330.2,90.73 ; D301.B10 329.49,91.44 ; 95.71,78.74 D130.B5 ; D130.B5 96.52,79.55 ; D130.B5 96.52,77.93 ; D130.B5 97.33,78.74 ; D302.B16 346.15,71.12 ; D302.B16 345.44,70.41 ; D302.B16 344.73,71.12 ; D302.B16 345.44,71.83 ; D123.B5 243.84,59.23 ; D123.B5 243.03,58.42 ; D123.B5 244.65,58.42 ; D123.B5 243.84,57.61 ; 14.43,35.56 D128.A2 ; D128.A2 16.05,35.56 ; D128.A2 15.24,36.37 ; D128.A2 15.24,34.75 ; 342.09,350.52 D114.B3 ; D114.B3 342.9,351.33 ; D114.B3 343.71,350.52 ; D114.B3 342.9,349.71 ; D129.B2 89.71,101.6 ; D129.B2 88.09,101.6 ; D129.B2 88.9,102.41 ; D129.B2 88.9,100.79 ; D118.B14 193.04,82.09 ; D118.B14 193.04,80.47 ; D118.B14 193.85,81.28 ; D118.B14 192.23,81.28 ; D107.B16 419.91,60.96 ; D107.B16 419.1,60.15 ; D107.B16 418.29,60.96 ; D107.B16 419.1,61.77 ; D119.B13 190.5,59.23 ; D119.B13 189.69,58.42 ; D119.B13 190.5,57.61 ; D119.B13 191.31,58.42 ; D302.A8 325.83,66.04 ; D302.A8 324.41,66.04 ; D302.A8 325.12,66.75 ; D302.A8 325.12,65.33 ; 198.12,377.65 D431.B2 ; D431.B2 198.12,379.27 ; D431.B2 197.31,378.46 ; D431.B2 198.93,378.46 ; D106.A15 417.37,73.66 ; D106.A15 416.56,74.47 ; D106.A15 416.56,72.85 ; D106.A15 415.75,73.66 ; 38.1,57.61 D127.B11 ; D127.B11 38.91,58.42 ; D127.B11 37.29,58.42 ; D127.B11 38.1,59.23 ; 344.63,353.06 D114.A2 ; D114.A2 346.25,353.06 ; D114.A2 345.44,353.87 ; D114.A2 345.44,352.25 ; 185.42,329.39 CSDPS229.C7 ; CSDPS229.C7 186.23,330.2 ; CSDPS229.C7 184.61,330.2 ; CSDPS229.C7 185.42,331.01 ; D302.A12 335.28,66.75 ; D302.A12 335.28,65.33 ; D302.A12 334.57,66.04 ; D302.A12 335.99,66.04 ; D109.B7 406.4,331.01 ; D109.B7 406.4,329.39 ; D109.B7 407.21,330.2 ; D109.B7 405.59,330.2 ; D302.B2 309.88,71.83 ; D302.B2 309.17,71.12 ; D302.B2 310.59,71.12 ; D302.B2 309.88,70.41 ; 263.35,330.2 CSDPS225.C5 ; CSDPS225.C5 264.97,330.2 ; CSDPS225.C5 264.16,329.39 ; CSDPS225.C5 264.16,331.01 ; SITE1.G14 250.71,242.83 ; SITE1.G14 250.23,243.31 ; SITE1.G14 249.75,242.83 ; SITE1.G14 250.23,242.35 ; 40.64,60.15 D127.B12 ; D127.B12 41.45,60.96 ; D127.B12 40.64,61.77 ; D127.B12 39.83,60.96 ; 190.5,32.21 D120.A13 ; D120.A13 190.5,33.83 ; D120.A13 189.69,33.02 ; D120.A13 191.31,33.02 ; 195.58,83.11 D317.A15 ; D317.A15 196.29,83.82 ; D317.A15 194.87,83.82 ; D317.A15 195.58,84.53 ; D120.B4 168.45,40.64 ; D120.B4 167.64,39.83 ; D120.B4 166.83,40.64 ; D120.B4 167.64,41.45 ; 334.47,393.7 D116.A6 ; D116.A6 335.28,394.51 ; D116.A6 336.09,393.7 ; D116.A6 335.28,392.89 ; 309.07,60.96 D103.B2 ; D103.B2 310.69,60.96 ; D103.B2 309.88,61.77 ; D103.B2 309.88,60.15 ; 380.29,68.58 D306.B1 ; D306.B1 381,67.87 ; D306.B1 381.71,68.58 ; D306.B1 381,69.29 ; 311.61,355.6 D114.A15 ; D114.A15 313.23,355.6 ; D114.A15 312.42,356.41 ; D114.A15 312.42,354.79 ; DPS2.A01 347.98,416.1 ; DPS2.A01 348.79,415.29 ; DPS2.A01 347.17,415.29 ; DPS2.A01 347.98,414.48 ; D231.B8 183.69,368.3 ; D231.B8 182.07,368.3 ; D231.B8 182.88,369.11 ; D231.B8 182.88,367.49 ; 182.88,377.65 D431.B8 ; D431.B8 182.88,379.27 ; D431.B8 183.69,378.46 ; D431.B8 182.07,378.46 ; D108.B13 411.48,38.91 ; D108.B13 411.48,37.29 ; D108.B13 412.29,38.1 ; D108.B13 410.67,38.1 ; D431.A8 182.88,384.35 ; D431.A8 182.07,383.54 ; D431.A8 183.69,383.54 ; D431.A8 182.88,382.73 ; 258.27,53.34 D123.A11 ; D123.A11 259.89,53.34 ; D123.A11 259.08,52.53 ; D123.A11 259.08,54.15 ; 307.34,72.85 D102.A1 ; D102.A1 307.34,74.47 ; D102.A1 306.53,73.66 ; D102.A1 308.15,73.66 ; D122.A4 242.11,76.2 ; D122.A4 241.3,75.39 ; D122.A4 240.49,76.2 ; D122.A4 241.3,77.01 ; 190.5,414.48 DPS8.A05 ; DPS8.A05 191.31,415.29 ; DPS8.A05 189.69,415.29 ; DPS8.A05 190.5,416.1 ; D321.A11 259.08,84.53 ; D321.A11 259.79,83.82 ; D321.A11 258.37,83.82 ; D321.A11 259.08,83.11 ; D126.A13 43.99,73.66 ; D126.A13 43.18,74.47 ; D126.A13 43.18,72.85 ; D126.A13 42.37,73.66 ; 106.68,57.61 D131.B9 ; D131.B9 107.49,58.42 ; D131.B9 106.68,59.23 ; D131.B9 105.87,58.42 ; D322.A2 236.93,66.04 ; D322.A2 236.22,66.75 ; D322.A2 236.22,65.33 ; D322.A2 235.51,66.04 ; D103.A4 315.77,55.88 ; D103.A4 314.96,56.69 ; D103.A4 314.15,55.88 ; D103.A4 314.96,55.07 ; 249.85,241.33 SITE1.G3 ; SITE1.G3 250.33,241.81 ; SITE1.G3 250.81,241.33 ; SITE1.G3 250.33,240.85 ; 27.13,93.98 D125.A7 ; D125.A7 27.94,93.17 ; D125.A7 28.75,93.98 ; D125.A7 27.94,94.79 ; 252.33,240.85 SITE1.G5 ; SITE1.G5 252.33,241.81 ; SITE1.G5 251.85,241.33 ; SITE1.G5 252.81,241.33 ; 408.23,91.44 D305.B12 ; D305.B12 408.94,92.15 ; D305.B12 408.94,90.73 ; D305.B12 409.65,91.44 ; 329.85,181.33 SITE4.G3 ; SITE4.G3 330.81,181.33 ; SITE4.G3 330.33,181.81 ; SITE4.G3 330.33,180.85 ; D115.B3 342.9,371.65 ; D115.B3 342.9,370.03 ; D115.B3 343.71,370.84 ; D115.B3 342.09,370.84 ; D302.A5 318.21,63.5 ; D302.A5 316.79,63.5 ; D302.A5 317.5,64.21 ; D302.A5 317.5,62.79 ; 169.37,33.02 D120.A5 ; D120.A5 170.18,32.21 ; D120.A5 170.18,33.83 ; D120.A5 170.99,33.02 ; D301.A5 317.5,84.53 ; D301.A5 316.79,83.82 ; D301.A5 317.5,83.11 ; D301.A5 318.21,83.82 ; 269.24,13.16 DPS3.A15 ; DPS3.A15 270.05,13.97 ; DPS3.A15 269.24,14.78 ; DPS3.A15 268.43,13.97 ; 44.91,35.56 D128.A14 ; D128.A14 46.53,35.56 ; D128.A14 45.72,34.75 ; D128.A14 45.72,36.37 ; 43.18,93.17 D125.A13 ; D125.A13 43.18,94.79 ; D125.A13 42.37,93.98 ; D125.A13 43.99,93.98 ; D114.B4 341.17,347.98 ; D114.B4 340.36,347.17 ; D114.B4 340.36,348.79 ; D114.B4 339.55,347.98 ; D318.B12 187.96,71.83 ; D318.B12 187.25,71.12 ; D318.B12 188.67,71.12 ; D318.B12 187.96,70.41 ; 411.48,77.93 D106.B13 ; D106.B13 410.67,78.74 ; D106.B13 411.48,79.55 ; D106.B13 412.29,78.74 ; 14.43,101.6 D125.B2 ; D125.B2 16.05,101.6 ; D125.B2 15.24,102.41 ; D125.B2 15.24,100.79 ; D113.A8 330.2,333.55 ; D113.A8 329.39,332.74 ; D113.A8 330.2,331.93 ; D113.A8 331.01,332.74 ; 249.03,242.35 SITE1.G13 ; SITE1.G13 249.03,243.31 ; SITE1.G13 248.55,242.83 ; SITE1.G13 249.51,242.83 ; 400.51,78.74 D106.B9 ; D106.B9 401.32,79.55 ; D106.B9 402.13,78.74 ; D106.B9 401.32,77.93 ; 382.83,71.12 D306.B2 ; D306.B2 383.54,70.41 ; D306.B2 383.54,71.83 ; D306.B2 384.25,71.12 ; D130.B8 104.95,81.28 ; D130.B8 103.33,81.28 ; D130.B8 104.14,82.09 ; D130.B8 104.14,80.47 ; 408.13,55.88 D107.A12 ; D107.A12 408.94,56.69 ; D107.A12 408.94,55.07 ; D107.A12 409.75,55.88 ; D301.A2 310.59,86.36 ; D301.A2 309.17,86.36 ; D301.A2 309.88,85.65 ; D301.A2 309.88,87.07 ; SITE3.G15 251.91,182.83 ; SITE3.G15 250.95,182.83 ; SITE3.G15 251.43,183.31 ; SITE3.G15 251.43,182.35 ; 395.43,73.66 D106.A7 ; D106.A7 396.24,74.47 ; D106.A7 397.05,73.66 ; D106.A7 396.24,72.85 ; 30.48,55.07 D127.A8 ; D127.A8 29.67,55.88 ; D127.A8 31.29,55.88 ; D127.A8 30.48,56.69 ; 264.16,62.79 D322.A13 ; D322.A13 264.16,64.21 ; D322.A13 263.45,63.5 ; D322.A13 264.87,63.5 ; 180.34,57.61 D119.B9 ; D119.B9 180.34,59.23 ; D119.B9 179.53,58.42 ; D119.B9 181.15,58.42 ; 90.63,93.98 D129.A3 ; D129.A3 91.44,94.79 ; D129.A3 91.44,93.17 ; D129.A3 92.25,93.98 ; 116.03,38.1 D132.B13 ; D132.B13 117.65,38.1 ; D132.B13 116.84,38.91 ; D132.B13 116.84,37.29 ; 192.23,55.88 D119.A14 ; D119.A14 193.04,55.07 ; D119.A14 193.85,55.88 ; D119.A14 193.04,56.69 ; 174.45,370.84 D231.B11 ; D231.B11 175.26,371.65 ; D231.B11 176.07,370.84 ; D231.B11 175.26,370.03 ; 309.88,372.57 D115.A16 ; D115.A16 310.69,373.38 ; D115.A16 309.88,374.19 ; D115.A16 309.07,373.38 ; 16.97,33.02 D128.A3 ; D128.A3 17.78,33.83 ; D128.A3 18.59,33.02 ; D128.A3 17.78,32.21 ; D120.B10 183.69,40.64 ; D120.B10 182.07,40.64 ; D120.B10 182.88,39.83 ; D120.B10 182.88,41.45 ; 98.25,60.96 D131.B6 ; D131.B6 99.06,60.15 ; D131.B6 99.06,61.77 ; D131.B6 99.87,60.96 ; 395.43,391.16 D112.B11 ; D112.B11 397.05,391.16 ; D112.B11 396.24,390.35 ; D112.B11 396.24,391.97 ; 332.15,242.83 SITE2.G16 ; SITE2.G16 332.63,242.35 ; SITE2.G16 332.63,243.31 ; SITE2.G16 333.11,242.83 ; D108.B10 403.86,41.45 ; D108.B10 404.67,40.64 ; D108.B10 403.05,40.64 ; D108.B10 403.86,39.83 ; D122.A3 238.76,74.47 ; D122.A3 239.57,73.66 ; D122.A3 238.76,72.85 ; D122.A3 237.95,73.66 ; 248.92,37.29 D124.B7 ; D124.B7 249.73,38.1 ; D124.B7 248.11,38.1 ; D124.B7 248.92,38.91 ; CSDPS229.C3 196.39,330.2 ; CSDPS229.C3 195.58,329.39 ; CSDPS229.C3 195.58,331.01 ; CSDPS229.C3 194.77,330.2 ; 160.02,62.79 D318.A1 ; D318.A1 160.02,64.21 ; D318.A1 160.73,63.5 ; D318.A1 159.31,63.5 ; D106.B1 381,79.55 ; D106.B1 380.19,78.74 ; D106.B1 381.81,78.74 ; D106.B1 381,77.93 ; 116.03,53.34 D131.A13 ; D131.A13 116.84,54.15 ; D131.A13 116.84,52.53 ; D131.A13 117.65,53.34 ; 320.04,367.49 D115.B12 ; D115.B12 320.04,369.11 ; D115.B12 319.23,368.3 ; D115.B12 320.85,368.3 ; SITE4.G1 328.33,181.81 ; SITE4.G1 328.81,181.33 ; SITE4.G1 327.85,181.33 ; SITE4.G1 328.33,180.85 ; D318.B9 180.34,69.29 ; D318.B9 180.34,67.87 ; D318.B9 179.63,68.58 ; D318.B9 181.05,68.58 ; 121.92,72.85 D130.A15 ; D130.A15 122.73,73.66 ; D130.A15 121.11,73.66 ; D130.A15 121.92,74.47 ; CSDPS229.B8 183.69,332.74 ; CSDPS229.B8 182.07,332.74 ; CSDPS229.B8 182.88,331.93 ; CSDPS229.B8 182.88,333.55 ; 265.89,76.2 D122.A14 ; D122.A14 266.7,75.39 ; D122.A14 267.51,76.2 ; D122.A14 266.7,77.01 ; 110.95,99.06 D129.B11 ; D129.B11 111.76,98.25 ; D129.B11 112.57,99.06 ; D129.B11 111.76,99.87 ; 50.8,60.15 D127.B16 ; D127.B16 51.61,60.96 ; D127.B16 49.99,60.96 ; D127.B16 50.8,61.77 ; D124.A1 233.68,33.83 ; D124.A1 234.49,33.02 ; D124.A1 233.68,32.21 ; D124.A1 232.87,33.02 ; 400.51,33.02 D108.A9 ; D108.A9 402.13,33.02 ; D108.A9 401.32,33.83 ; D108.A9 401.32,32.21 ; SITE2.G2 329.33,241.81 ; SITE2.G2 329.81,241.33 ; SITE2.G2 329.33,240.85 ; SITE2.G2 328.85,241.33 ; 232.87,73.66 D122.A1 ; D122.A1 233.68,72.85 ; D122.A1 233.68,74.47 ; D122.A1 234.49,73.66 ; 314.96,326.85 D113.B14 ; D113.B14 314.15,327.66 ; D113.B14 315.77,327.66 ; D113.B14 314.96,328.47 ; D116.A12 320.85,393.7 ; D116.A12 319.23,393.7 ; D116.A12 320.04,394.51 ; D116.A12 320.04,392.89 ; D103.B6 320.04,61.77 ; D103.B6 320.04,60.15 ; D103.B6 319.23,60.96 ; D103.B6 320.85,60.96 ; D107.B10 403.86,61.77 ; D107.B10 403.05,60.96 ; D107.B10 404.67,60.96 ; D107.B10 403.86,60.15 ; 393.7,347.17 D110.B12 ; D110.B12 393.7,348.79 ; D110.B12 392.89,347.98 ; D110.B12 394.51,347.98 ; D123.A1 233.68,54.15 ; D123.A1 234.49,53.34 ; D123.A1 232.87,53.34 ; D123.A1 233.68,52.53 ; 339.55,76.2 D102.A14 ; D102.A14 340.36,75.39 ; D102.A14 340.36,77.01 ; D102.A14 341.17,76.2 ; 324.31,393.7 D116.A10 ; D116.A10 325.12,394.51 ; D116.A10 325.12,392.89 ; D116.A10 325.93,393.7 ; 316.79,88.9 D301.B5 ; D301.B5 317.5,89.61 ; D301.B5 318.21,88.9 ; D301.B5 317.5,88.19 ; 387.81,353.06 D110.A14 ; D110.A14 389.43,353.06 ; D110.A14 388.62,352.25 ; D110.A14 388.62,353.87 ; 248.21,83.82 D321.A7 ; D321.A7 248.92,84.53 ; D321.A7 249.63,83.82 ; D321.A7 248.92,83.11 ; D113.B16 309.88,328.47 ; D113.B16 310.69,327.66 ; D113.B16 309.07,327.66 ; D113.B16 309.88,326.85 ; 49.99,55.88 D127.A16 ; D127.A16 50.8,55.07 ; D127.A16 50.8,56.69 ; D127.A16 51.61,55.88 ; D119.B6 173.53,60.96 ; D119.B6 171.91,60.96 ; D119.B6 172.72,61.77 ; D119.B6 172.72,60.15 ; D131.B11 111.76,59.23 ; D131.B11 111.76,57.61 ; D131.B11 112.57,58.42 ; D131.B11 110.95,58.42 ; D231.A10 177.8,374.19 ; D231.A10 178.61,373.38 ; D231.A10 177.8,372.57 ; D231.A10 176.99,373.38 ; D301.A1 307.34,84.53 ; D301.A1 308.05,83.82 ; D301.A1 307.34,83.11 ; D301.A1 306.63,83.82 ; 40.64,34.75 D128.A12 ; D128.A12 41.45,35.56 ; D128.A12 40.64,36.37 ; D128.A12 39.83,35.56 ; 166.83,60.96 D119.B4 ; D119.B4 167.64,60.15 ; D119.B4 168.45,60.96 ; D119.B4 167.64,61.77 ; 160.02,67.87 D318.B1 ; D318.B1 159.31,68.58 ; D318.B1 160.02,69.29 ; D318.B1 160.73,68.58 ; D306.B15 417.27,68.58 ; D306.B15 416.56,67.87 ; D306.B15 416.56,69.29 ; D306.B15 415.85,68.58 ; D131.A10 109.22,56.69 ; D131.A10 109.22,55.07 ; D131.A10 110.03,55.88 ; D131.A10 108.41,55.88 ; D431.B12 172.72,379.27 ; D431.B12 172.72,377.65 ; D431.B12 171.91,378.46 ; D431.B12 173.53,378.46 ; 311.61,78.74 D102.B3 ; D102.B3 313.23,78.74 ; D102.B3 312.42,79.55 ; D102.B3 312.42,77.93 ; 252.15,242.83 SITE1.G16 ; SITE1.G16 252.63,242.35 ; SITE1.G16 252.63,243.31 ; SITE1.G16 253.11,242.83 ; 172.72,372.57 D231.A12 ; D231.A12 172.72,374.19 ; D231.A12 171.91,373.38 ; D231.A12 173.53,373.38 ; D231.B5 190.5,371.65 ; D231.B5 189.69,370.84 ; D231.B5 191.31,370.84 ; D231.B5 190.5,370.03 ; 256.54,70.41 D322.B10 ; D322.B10 256.54,71.83 ; D322.B10 257.25,71.12 ; D322.B10 255.83,71.12 ; 29.67,96.52 D125.A8 ; D125.A8 31.29,96.52 ; D125.A8 30.48,97.33 ; D125.A8 30.48,95.71 ; 14.43,81.28 D126.B2 ; D126.B2 16.05,81.28 ; D126.B2 15.24,80.47 ; D126.B2 15.24,82.09 ; D126.B11 38.1,79.55 ; D126.B11 38.91,78.74 ; D126.B11 37.29,78.74 ; D126.B11 38.1,77.93 ; D132.A10 109.22,36.37 ; D132.A10 109.22,34.75 ; D132.A10 110.03,35.56 ; D132.A10 108.41,35.56 ; 314.15,60.96 D103.B4 ; D103.B4 314.96,60.15 